# KiCad board Leftcopy.kicad_pcb (continued)
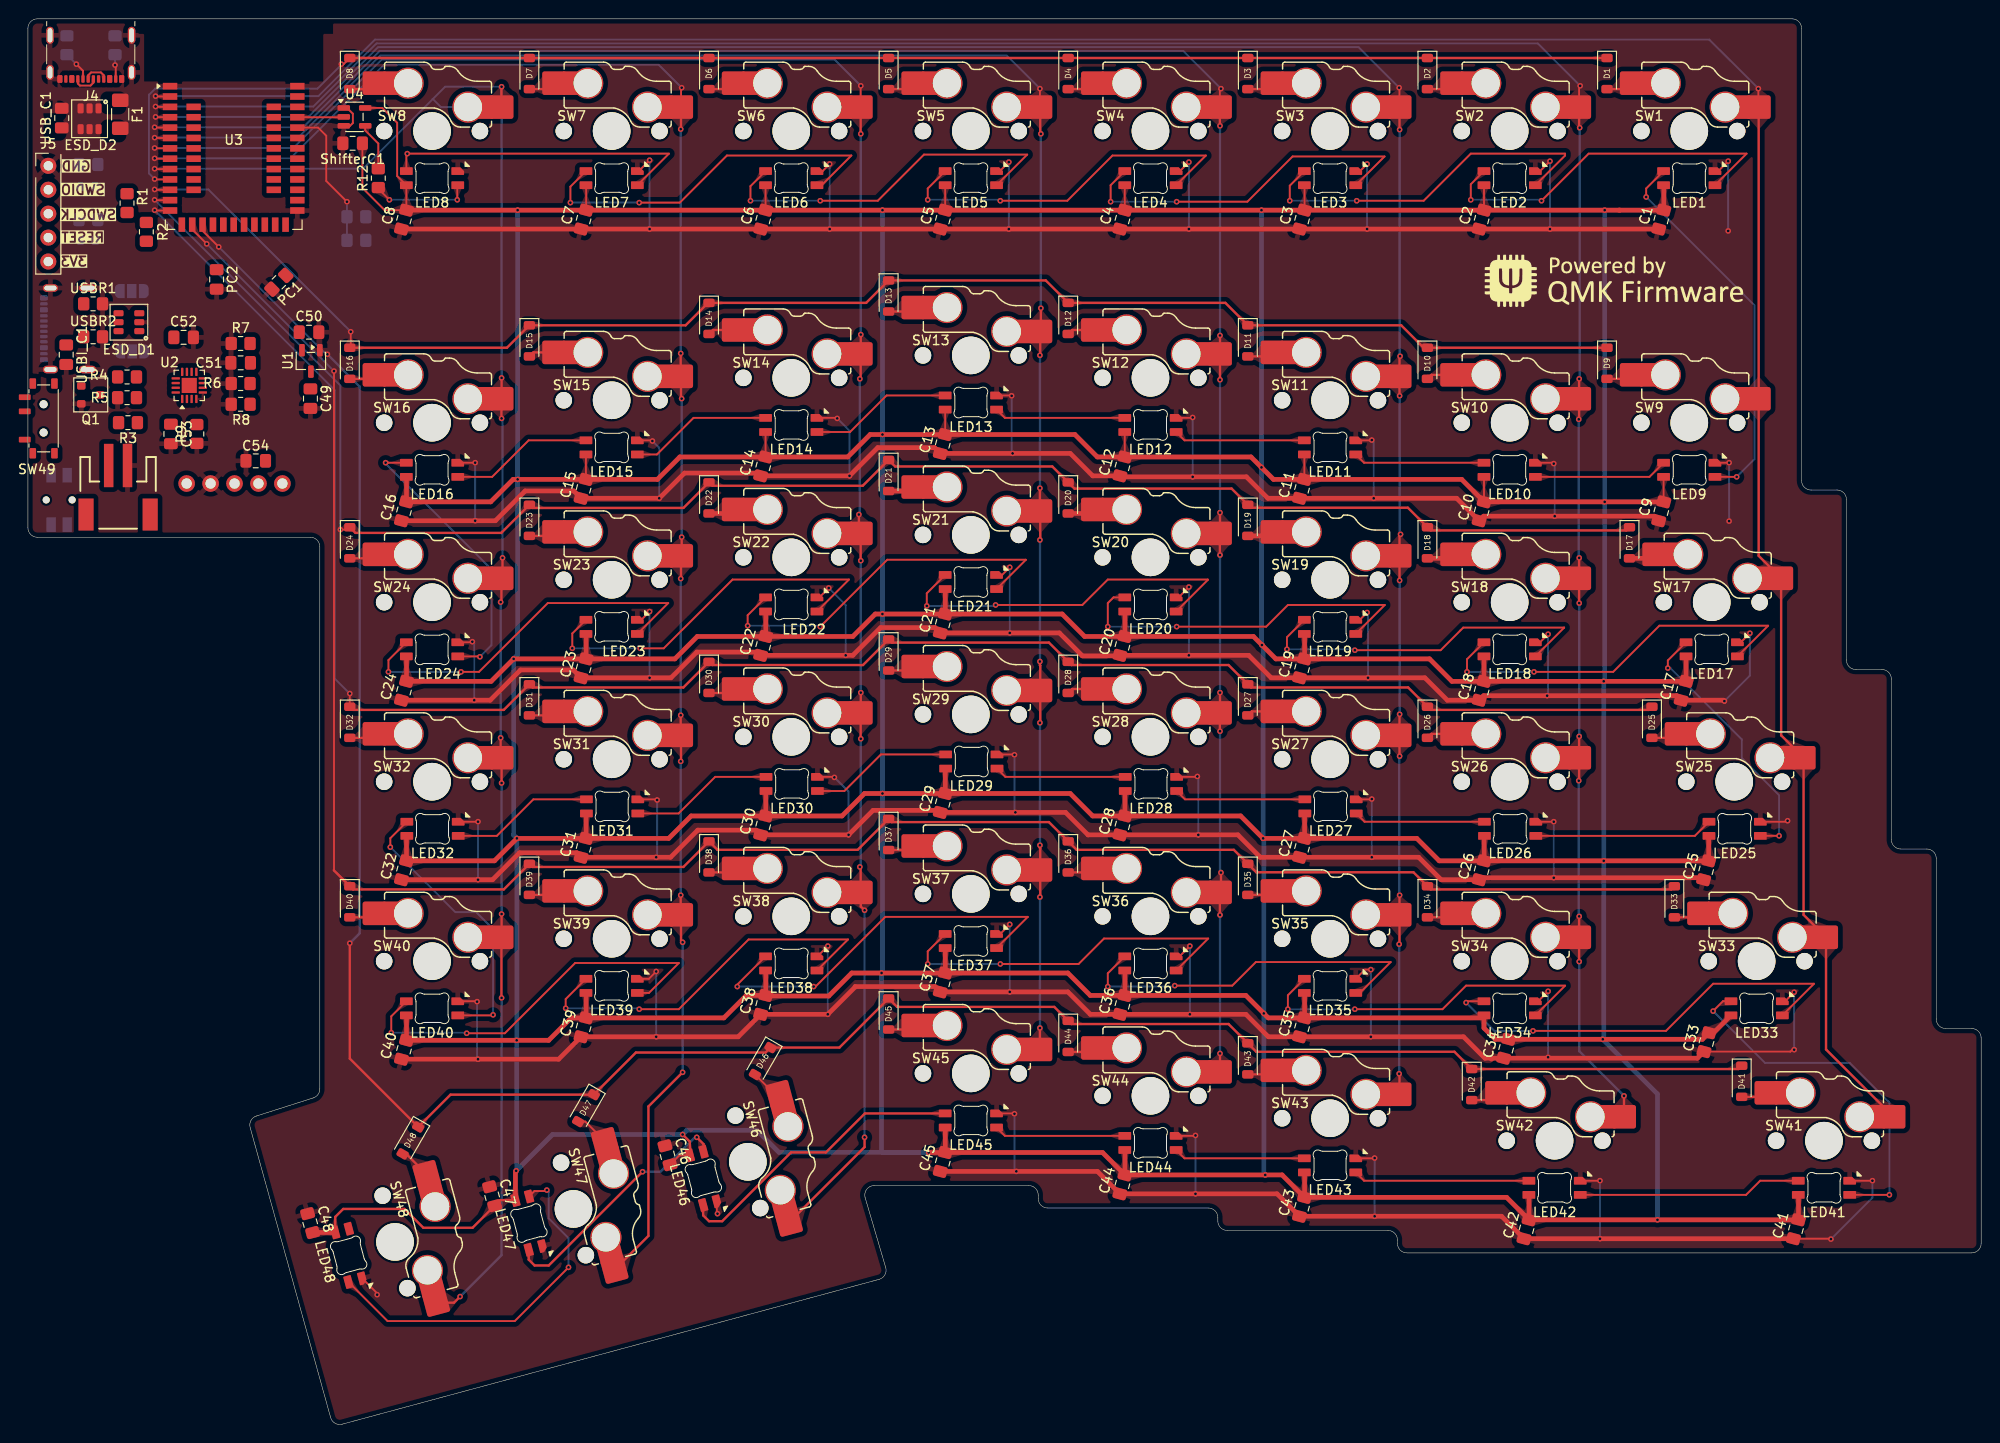
[diagram p0: board, top side]
## Library data of the parts
B_LED1 = -: Description: Blue SMD LED, 0603, Alternate KiCad Library; ki_fp_filters: LED* LED_SMD:* LED_THT:*
C1-C48 C51-C54 ShifterC1 USBI_C1 = -: Description: Unpolarized capacitor; ki_fp_filters: C_*
C49 C50 PC1 PC2 = -: Notes: X7R, 10%; ki_fp_filters: C_*
D1-D48 = -: Description: Diode; Sim.Pins: 1=K 2=A; ki_fp_filters: TO-???* *_Diode_* *SingleDiode* D_*
ESD_D1 ESD_D2 = -: Datasheet: https://www.tme.eu/Document/db59d28d28a96c34f26d05f234ff409c/USBLC6-2.pdf; Description: SOT-23-6 TVS Diode Array, 2 protected lines, positive connection, 5.25V, Alternate KiCAD Library; ki_fp_filters: TO-???* *_Diode_* *SingleDiode* D_*
F1 = -: LCSC: C135341; ki_fp_filters: *polyfuse* *PTC*
G_LED1 = -: Description: Green SMD LED, 0603, Alternate KiCad Library; ki_fp_filters: LED* LED_SMD:* LED_THT:*
J1 J4 = -: Datasheet: https://www.usb.org/sites/default/files/documents/usb_type-c.zip; Description: USB 2.0-only 16P Type-C Receptacle connector; ki_fp_filters: USB*C*Receptacle*
J3 = -: Description: 2 Pin 2mm JST Battery Connector; PROD_ID: CONN-11443; ki_fp_filters: Connector*:*_1x??_*
J5 = -: Description: Male connector, single row; ki_fp_filters: *PinHeader*1x05*
JP1 JP2 = -: Description: Solder Jumper, 3-pole, open; ki_fp_filters: SolderJumper*Open*
LED1-LED48 = -: Description: Reverse mount adressable LED (WS2812 protocol)
OLED1 = -: Datasheet: https://nicekeyboards.com/docs/nice-view/pinout-schematic; Description: Sharp LS011B7DH03 Memory in Pixel 160x68; ki_fp_filters: nice*
Q1 = -: Datasheet: https://www.tme.eu/Document/7df5cae36abdfcedddb681f5be886f05/2N7000.pdf; Description: SOT-23 N-MOSFET enchancement mode transistor, 60V, 115mA, 200mW, Alternate KiCAD Library
R1-R15 R17 USBR1 USBR2 = -: Description: Resistor; ki_fp_filters: R_*
Reset_Btn1 = -: Aliexpress: https://www.aliexpress.com/item/1005005453787620.html?spm=a2g0o.productlist.main.1.11d71ae5j97qJo&algo_pvid=568eff6e-180e-4b37-958c-7c0a3b0f84d9&algo_exp_id=568eff6e-180e-4b37-958c-7c0a3b0f84d9-0&pdp_npi=4%40dis%21BRL%2110.94%219.89%21%21%2113.03%2111.78%21%402103273e17319427737965163e3c62%2112000038111003831%21sea%21BR%214340077984%21X&curPageLogUid=5a6rqzQqwGi2&utparam-url=scene%3Asearch%7Cquery_from%3A; LCSC: C79175
SW1-SW45 SW47 = -: Description: Push button switch, normally open, two pins, 45° tilted
SW49 = -: Description: Switch, single pole double throw
U1 = -: Datasheet: https://www.torexsemi.com/file/xc6206/XC6206.pdf; Description: Positive 60-250mA Low Dropout Regulator, Fixed Output, SOT-23; ki_fp_filters: SOT?23?3*
U2 = -: Datasheet: http://www.ti.com/lit/ds/symlink/bq24075.pdf; Description: USB-Friendly Li-Ion Battery Charger and Power-Path Management, VQFN-16; ki_fp_filters: VQFN*1EP*3x3mm*P0.5mm*
U3 = -: Datasheet: http://www.holyiot.com/tp/2019042516322180424.pdf; Description: nRF52840 BT LE module
U4 = -: Datasheet: https://www.ti.com/lit/ds/symlink/sn74lv1t125.pdf; Description: Single Power Supply, Single Buffer Gate with 3-State Output, CMOS Logic Level Shifter Level Shifter, SOT-23-5; ki_fp_filters: SOT?23*
USB_C1 = -: LCSC: C307331; ki_fp_filters: C_*

## Footprints (pads in the part's own frame, mm; a bottom-side part is the same pattern mirrored in y, then rotated)
C_0805_2012Metric_Pad1.18x1.45mm_HandSolder
  rrect 1.175x1.45 smd: 1(-1.038,0) 2(1.038,0)
D_SOD-123
  rrect 0.9x1.2 smd: 1(-1.65,0) 2(1.65,0)
Fuse_1206_3216Metric_Pad1.42x1.75mm_HandSolder
  rrect 1.425x1.75 smd: 1(-1.488,0) 2(1.488,0)
JST_1x02_P2.0mm_Horizontal_SMD
  rect 1x4.6 smd: 1(-1,-3.7) 2(1,-3.7)
  rect 1.6x3.4 smd: NC1(-3.4,1.5) NC2(3.4,1.5)
LED_0603_1608Metric
  rrect 0.875x0.95 smd: 1(-0.787,0) 2(0.787,0)
LED_MX_6028R-ROT
  rrect 1.35x0.82 smd: 1(-2.725,-0.75) 2(-2.725,0.75) 3(2.725,-0.75) 4(2.725,0.75)
LED_MX_6028R-ROT#2
  rrect 1.35x0.82 smd: 1(-2.725,-0.75) 2(-2.725,0.75) 3(2.725,-0.75) 4(2.725,0.75)
nice_view
  round 1.753 hole 1.092: 1(-5.08,-16.51) 2(-2.54,-16.51) 3(0,-16.51) 4(2.54,-16.51) 5(5.08,-16.51)
nRF52840_holyiot_18010
  rect 1.524x0.7 smd: 1(-6.75,5.7) 2(-6.75,4.6) 3(-6.75,3.5) 4(-6.75,2.4) 5(-6.75,1.3) 6(-6.75,0.2) 7(-6.75,-0.9) 8(-6.75,-2) 9(-6.75,-3.1) 10(-6.75,-4.2) 11(-6.75,-5.3) 12(-6.75,-6.4) 13(-6.75,-7.5) 25(6.75,-7.5) 26(6.75,-6.4) 27(6.75,-5.3) 28(6.75,-4.2) 29(6.75,-3.1) 30(6.75,-2) 31(6.75,-0.9) 32(6.75,0.2) 33(6.75,1.3) 34(6.75,2.4) 35(6.75,3.5) 36(6.75,4.6) 37(6.75,5.7) 38(-4.25,3.5) 39(-4.25,2.4) 40(-4.25,1.3) 41(-4.25,0.2) 42(-4.25,-0.9) 43(-4.25,-2) 44(-4.25,-3.1) 45(-4.25,-4.2) 46(-4.25,-5.3) 47(4.25,3.5) 48(4.25,2.4) 49(4.25,1.3) 50(4.25,0.2) 51(4.25,-0.9) 52(4.25,-2) 53(4.25,-3.1) 54(4.25,-4.2) 55(4.25,-5.3)
  rect 0.7x1.524 smd: 14(-5.5,-9) 15(-4.4,-9) 16(-3.3,-9) 17(-2.2,-9) 18(-1.1,-9) 19(0,-9) 20(1.1,-9) 21(2.2,-9) 22(3.3,-9) 23(4.4,-9) 24(5.5,-9)
Panasonic_EVQPUL_EVQPUC
  round 0.75 hole 0.75 unplated: (0,-1.375) (0,1.375)
  rect 1.55x1 smd: 1(-2.625,0.85) 1(2.625,0.85) 2(-2.625,-0.85) 2(2.625,-0.85)
PinHeader_01x05_P2.54mm_Vertical_THT_D1mm
  round 1.7 hole 1: 1(0,0)
  oval 1.7x1.7 hole 1: 2(0,-2.54) 3(0,-5.08) 4(0,-7.62) 5(0,-10.16)
R_0805_2012Metric_Pad1.20x1.40mm_HandSolder
  rrect 1.2x1.4 smd: 1(-1,0) 2(1,0)
SolderJumper-3_P1.3mm_Open_RoundedPad1.0x1.5mm_NumberLabels
  custom 1.05x1.5 smd: 1(-1.3,0) 3(1.3,0)
  rect 1x1.5 smd: 2(0,0)
SOT-23
  rrect 0.9x0.8 smd: 1(-1,0.95) 2(-1,-0.95) 3(1,0)
SOT-23-3
  rrect 1.325x0.6 smd: 1(-1.137,0.95) 2(-1.137,-0.95) 3(1.137,0)
SOT-23-5
  rrect 1.325x0.6 smd: 1(-1.137,0.95) 2(-1.137,0) 3(-1.137,-0.95) 4(1.137,-0.95) 5(1.137,0.95)
SOT-23-6
  rrect 1.06x0.65 smd: 1(-1.1,0.95) 2(-1.1,0) 3(-1.1,-0.95) 4(1.1,-0.95) 5(1.1,0) 6(1.1,0.95)
SOT-23-6#2
  rrect 1.06x0.65 smd: 1(-1.1,0.95) 2(-1.1,0) 3(-1.1,-0.95) 4(1.1,-0.95) 5(1.1,0) 6(1.1,0.95)
SW_MSK12C02-HB
  round 0.85 hole 0.85 unplated: (-1.5,0) (1.5,0)
  rrect 0.6x1.25 smd: 1(2.25,-2) 2(-0.75,-2) 3(-2.25,-2)
  rrect 1.1x0.7 smd: MP(-3.7,-1.15) MP(-3.7,1.15) MP(3.7,-1.15) MP(3.7,1.15)
SW_MX_HS_KS-2P02B01-01_1.5u
  round 1.75 hole 1.75 unplated: (-5.08,0) (5.08,0)
  round 3.988 hole 3.988 unplated: (0,0)
  round 3.3 hole 3: 1(3.81,2.54) 2(-2.54,5.08)
  rect 1.65x2.5 smd: 1(5.635,2.54) 2(-4.34,5.08)
  rrect 2.55x2.5 smd: 1(7.36,2.54) 2(-6.09,5.08)
SW_MX_HS_KS-2P02B01-01_1.25u
  round 1.75 hole 1.75 unplated: (-5.08,0) (5.08,0)
  round 3.988 hole 3.988 unplated: (0,0)
  round 3.3 hole 3: 1(3.81,2.54) 2(-2.54,5.08)
  rect 1.65x2.5 smd: 1(5.635,2.54) 2(-4.34,5.08)
  rrect 2.55x2.5 smd: 1(7.36,2.54) 2(-6.09,5.08)
SW_MX_HS_KS-2P02B01-01_1.75u
  round 1.75 hole 1.75 unplated: (-5.08,0) (5.08,0)
  round 3.988 hole 3.988 unplated: (0,0)
  round 3.3 hole 3: 1(3.81,2.54) 2(-2.54,5.08)
  rect 1.65x2.5 smd: 1(5.635,2.54) 2(-4.34,5.08)
  rrect 2.55x2.5 smd: 1(7.36,2.54) 2(-6.09,5.08)
SW_MX_HS_KS-2P02B01-01_1u
  round 1.75 hole 1.75 unplated: (-5.08,0) (5.08,0)
  round 3.988 hole 3.988 unplated: (0,0)
  round 3.3 hole 3: 1(3.81,2.54) 2(-2.54,5.08)
  rect 1.65x2.5 smd: 1(5.635,2.54) 2(-4.34,5.08)
  rrect 2.55x2.5 smd: 1(7.36,2.54) 2(-6.09,5.08)
USB_C_Receptacle_HRO_TYPE-C-31-M-23
  rrect 0.52x0.8 smd: A1(-3.28,2.425) A4(-2.01,2.425) A9(2.01,2.425) A12(3.28,2.425) B1(3.28,2.425) B4(2.01,2.425) B9(-2.01,2.425) B12(-3.28,2.425)
  rrect 0.35x0.8 smd: A5(-2.645,2.425) A6(-1.375,2.425) A7(1.375,2.425) A8(2.645,2.425) B5(0.825,2.425) B6(0.275,2.425) B7(-0.275,2.425) B8(-0.825,2.425)
  oval 0.8x1.8 hole 0.5x1.5: S1(-4.325,-2.215) S1(4.325,-2.215)
  oval 0.8x1.6 hole 0.5x1.3: S1(-4.325,1.725) S1(4.325,1.725)
VQFN-16-1EP_3x3mm_P0.5mm_EP1.6x1.6mm
  rrect 0.64x0.64 smd: (-0.4,0.4) (-0.4,-0.4) (0.4,0.4) (0.4,-0.4)
  rrect 0.875x0.25 smd: 1(-1.438,0.75) 2(-1.438,0.25) 3(-1.438,-0.25) 4(-1.438,-0.75) 9(1.438,-0.75) 10(1.438,-0.25) 11(1.438,0.25) 12(1.438,0.75)
  rrect 0.25x0.875 smd: 5(-0.75,-1.438) 6(-0.25,-1.438) 7(0.25,-1.438) 8(0.75,-1.438) 13(0.75,1.438) 14(0.25,1.438) 15(-0.25,1.438) 16(-0.75,1.438)
  rect 1.6x1.6 smd: 17(0,0)

## Nets
+3.3V: C50.1 C54.1 J5.5 OLED1.3 PC1.1 U1.2 U3.14
+5V: C1.2 C2.2 C3.2 C4.2 C5.2 C6.2 C7.2 C8.2 C9.2 C10.2 C11.2 C12.2 C13.2 C14.2 C15.2 C16.2 C17.2 C18.2 C19.2 C20.2 C21.2 C22.2 C23.2 C24.2 C25.2 C26.2 C27.2 C28.2 C29.2 C30.2 C31.2 C32.2 C33.2 C34.2 C35.2 C36.2 C37.2 C38.2 C39.2 C40.2 C41.2 C42.2 C43.2 C44.2 C45.2 C46.2 C47.2 C48.2 C51.1 ESD_D1.5 ESD_D2.5 F1.2 J1.A4 J1.A9 J1.B4 J1.B9 LED1.1 LED2.1 LED3.1 LED4.1 LED5.1 LED6.1 LED7.1 LED8.1 LED9.1 LED10.1 LED11.1 LED12.1 LED13.1 LED14.1 LED15.1 LED16.1 LED17.1 LED18.1 LED19.1 LED20.1 LED21.1 LED22.1 LED23.1 LED24.1 LED25.1 LED26.1 LED27.1 LED28.1 LED29.1 LED30.1 LED31.1 LED32.1 LED33.1 LED34.1 LED35.1 LED36.1 LED37.1 LED38.1 LED39.1 LED40.1 LED41.1 LED42.1 LED43.1 LED44.1 LED45.1 LED46.1 LED47.1 LED48.1 PC2.1 R4.2 ShifterC1.1 U2.13 U3.22 U4.5 USB_C1.1 USBI_C1.1
GND: B_LED1.1 C1.1 C2.1 C3.1 C4.1 C5.1 C6.1 C7.1 C8.1 C9.1 C10.1 C11.1 C12.1 C13.1 C14.1 C15.1 C16.1 C17.1 C18.1 C19.1 C20.1 C21.1 C22.1 C23.1 C24.1 C25.1 C26.1 C27.1 C28.1 C29.1 C30.1 C31.1 C32.1 C33.1 C34.1 C35.1 C36.1 C37.1 C38.1 C39.1 C40.1 C41.1 C42.1 C43.1 C44.1 C45.1 C46.1 C47.1 C48.1 C49.2 C50.2 C51.2 C52.2 C53.2 C54.2 ESD_D1.2 ESD_D2.2 G_LED1.1 J1.A1 J1.A12 J1.B1 J1.B12 J1.S1 J3.1 J4.A1 J4.A12 J4.B1 J4.B12 J4.S1 J5.1 LED1.4 LED2.4 LED3.4 LED4.4 LED5.4 LED6.4 LED7.4 LED8.4 LED9.4 LED10.4 LED11.4 LED12.4 LED13.4 LED14.4 LED15.4 LED16.4 LED17.4 LED18.4 LED19.4 LED20.4 LED21.4 LED22.4 LED23.4 LED24.4 LED25.4 LED26.4 LED27.4 LED28.4 LED29.4 LED30.4 LED31.4 LED32.4 LED33.4 LED34.4 LED35.4 LED36.4 LED37.4 LED38.4 LED39.4 LED40.4 LED41.4 LED42.4 LED43.4 LED44.4 LED45.4 LED46.4 LED47.4 LED48.4 OLED1.4 PC1.2 PC2.2 Q1.2 R5.1 R6.1 R7.1 R8.1 R9.1 R11.2 R13.2 R14.2 Reset_Btn1.2 ShifterC1.2 SW49.3 U1.1 U2.4 U2.5 U2.8 U2.17 U3.1 U3.25 U3.37 U4.1 U4.3 USB_C1.2 USBI_C1.2 USBR1.2 USBR2.2
+BATT: C53.1 J3.2 R3.2 R10.1 U2.2 U2.3
+VSW: C49.1 C52.1 R1.2 R2.2 U1.3 U2.6 U2.10 U2.11
BLUE_LED: R15.1 U3.30
BT_CHG: R1.1 U2.9 U3.27
BT_PGOOD: R2.1 U2.7 U3.26
CS: OLED1.5 U3.19
D+: ESD_D2.4 U3.24
D-: ESD_D2.6 U3.23
GREEN_LED: R17.1 U3.29
LINK+: ESD_D1.4 JP2.2
LINK-: ESD_D1.6 JP1.2
MOSI: OLED1.1 U3.17
R_COL1: SW8.1 SW16.1 SW24.1 SW32.1 SW40.1 SW48.1 U3.9
R_COL2: SW7.1 SW15.1 SW23.1 SW31.1 SW39.1 SW47.1 U3.8
R_COL3: SW6.1 SW14.1 SW22.1 SW30.1 SW38.1 SW46.1 U3.7
R_COL4: SW5.1 SW13.1 SW21.1 SW29.1 SW37.1 SW45.1 U3.6
R_COL5: SW4.1 SW12.1 SW20.1 SW28.1 SW36.1 SW44.1 U3.5
R_COL6: SW3.1 SW11.1 SW19.1 SW27.1 SW35.1 SW43.1 U3.4
R_COL7: SW2.1 SW10.1 SW18.1 SW26.1 SW34.1 SW42.1 U3.3
R_COL8: SW1.1 SW9.1 SW17.1 SW25.1 SW33.1 SW41.1 U3.2
R_LED1: LED8.3 R12.1
R_LED_3v3_1: U3.34 U4.2
R_ROW1: D1.1 D2.1 D3.1 D4.1 D5.1 D6.1 D7.1 D8.1 U3.10
R_ROW2: D9.1 D10.1 D11.1 D12.1 D13.1 D14.1 D15.1 D16.1 U3.11
R_ROW3: D17.1 D18.1 D19.1 D20.1 D21.1 D22.1 D23.1 D24.1 U3.12
R_ROW4: D25.1 D26.1 D27.1 D28.1 D29.1 D30.1 D31.1 D32.1 U3.13
R_ROW5: D33.1 D34.1 D35.1 D36.1 D37.1 D38.1 D39.1 D40.1 U3.15
R_ROW6: D41.1 D42.1 D43.1 D44.1 D45.1 D46.1 D47.1 D48.1 U3.16
RESET: J5.4 Reset_Btn1.1 U3.21
SCK: OLED1.2 U3.18
SWDCLK: J5.3 U3.31
SWDIO: J5.2 U3.32
SYS_OFF: Q1.3 SW49.2 U2.15
USART_RX: JP1.1 JP2.1 U3.36
USART_TX: JP1.3 JP2.3 U3.35
VSENSE: R10.2 R11.1 U3.33
Net-(B_LED1-A): B_LED1.2 R15.2
Net-(D1-A): D1.2 SW1.2
Net-(D2-A): D2.2 SW2.2
Net-(D3-A): D3.2 SW3.2
Net-(D4-A): D4.2 SW4.2
Net-(D5-A): D5.2 SW5.2
Net-(D6-A): D6.2 SW6.2
Net-(D7-A): D7.2 SW7.2
Net-(D8-A): D8.2 SW8.2
Net-(D9-A): D9.2 SW9.2
Net-(D10-A): D10.2 SW10.2
Net-(D11-A): D11.2 SW11.2
Net-(D12-A): D12.2 SW12.2
Net-(D13-A): D13.2 SW13.2
Net-(D14-A): D14.2 SW14.2
Net-(D15-A): D15.2 SW15.2
Net-(D16-A): D16.2 SW16.2
Net-(D17-A): D17.2 SW17.2
Net-(D18-A): D18.2 SW18.2
Net-(D19-A): D19.2 SW19.2
Net-(D20-A): D20.2 SW20.2
Net-(D21-A): D21.2 SW21.2
Net-(D22-A): D22.2 SW22.2
Net-(D23-A): D23.2 SW23.2
Net-(D24-A): D24.2 SW24.2
Net-(D25-A): D25.2 SW25.2
Net-(D26-A): D26.2 SW26.2
Net-(D27-A): D27.2 SW27.2
Net-(D28-A): D28.2 SW28.2
Net-(D29-A): D29.2 SW29.2
Net-(D30-A): D30.2 SW30.2
Net-(D31-A): D31.2 SW31.2
Net-(D32-A): D32.2 SW32.2
Net-(D33-A): D33.2 SW33.2
Net-(D34-A): D34.2 SW34.2
Net-(D35-A): D35.2 SW35.2
Net-(D36-A): D36.2 SW36.2
Net-(D37-A): D37.2 SW37.2
Net-(D38-A): D38.2 SW38.2
Net-(D39-A): D39.2 SW39.2
Net-(D40-A): D40.2 SW40.2
Net-(D41-A): D41.2 SW41.2
Net-(D42-A): D42.2 SW42.2
Net-(D43-A): D43.2 SW43.2
Net-(D44-A): D44.2 SW44.2
Net-(D45-A): D45.2 SW45.2
Net-(D46-A): D46.2 SW46.2
Net-(D47-A): D47.2 SW47.2
Net-(D48-A): D48.2 SW48.2
Net-(ESD_D1-L1-Pad1): ESD_D1.1 J1.A7 J1.B7
Net-(ESD_D1-L2-Pad3): ESD_D1.3 J1.A6 J1.B6
Net-(ESD_D2-L1-Pad1): ESD_D2.1 J4.A7 J4.B7
Net-(ESD_D2-L2-Pad3): ESD_D2.3 J4.A6 J4.B6
Net-(F1-Pad1): F1.1 J4.A4 J4.A9 J4.B4 J4.B9
Net-(G_LED1-A): G_LED1.2 R17.2
Net-(J1-CC1): J1.A5 USBR1.1
Net-(J1-CC2): J1.B5 USBR2.1
Net-(J4-CC1): J4.A5 R13.1
Net-(J4-CC2): J4.B5 R14.1
Net-(LED1-DIN): LED1.3 LED2.2
Net-(LED1-DOUT): LED1.2 LED9.3
Net-(LED2-DIN): LED2.3 LED3.2
Net-(LED3-DIN): LED3.3 LED4.2
Net-(LED4-DIN): LED4.3 LED5.2
Net-(LED5-DIN): LED5.3 LED6.2
Net-(LED6-DIN): LED6.3 LED7.2
Net-(LED7-DIN): LED7.3 LED8.2
Net-(LED10-DIN): LED9.2 LED10.3
Net-(LED10-DOUT): LED10.2 LED11.3
Net-(LED11-DOUT): LED11.2 LED12.3
Net-(LED12-DOUT): LED12.2 LED13.3
Net-(LED13-DOUT): LED13.2 LED14.3
Net-(LED14-DOUT): LED14.2 LED15.3
Net-(LED15-DOUT): LED15.2 LED16.3
Net-(LED16-DOUT): LED16.2 LED24.3
Net-(LED17-DIN): LED17.3 LED18.2
Net-(LED17-DOUT): LED17.2 LED25.3
Net-(LED18-DIN): LED18.3 LED19.2
Net-(LED19-DIN): LED19.3 LED20.2
Net-(LED20-DIN): LED20.3 LED21.2
Net-(LED21-DIN): LED21.3 LED22.2
Net-(LED22-DIN): LED22.3 LED23.2
Net-(LED23-DIN): LED23.3 LED24.2
Net-(LED25-DOUT): LED25.2 LED26.3
Net-(LED26-DOUT): LED26.2 LED27.3
Net-(LED27-DOUT): LED27.2 LED28.3
Net-(LED28-DOUT): LED28.2 LED29.3
Net-(LED29-DOUT): LED29.2 LED30.3
Net-(LED30-DOUT): LED30.2 LED31.3
Net-(LED31-DOUT): LED31.2 LED32.3
Net-(LED32-DOUT): LED32.2 LED40.3
Net-(LED33-DIN): LED33.3 LED34.2
Net-(LED33-DOUT): LED33.2 LED41.3
Net-(LED34-DIN): LED34.3 LED35.2
Net-(LED35-DIN): LED35.3 LED36.2
Net-(LED36-DIN): LED36.3 LED37.2
Net-(LED37-DIN): LED37.3 LED38.2
Net-(LED38-DIN): LED38.3 LED39.2
Net-(LED39-DIN): LED39.3 LED40.2
Net-(LED41-DOUT): LED41.2 LED42.3
Net-(LED42-DOUT): LED42.2 LED43.3
Net-(LED43-DOUT): LED43.2 LED44.3
Net-(LED44-DOUT): LED44.2 LED45.3
Net-(LED45-DOUT): LED45.2 LED46.3
Net-(LED46-DOUT): LED46.2 LED47.3
Net-(LED47-DOUT): LED47.2 LED48.3
Net-(Q1-G): Q1.1 R4.1 R5.2
Net-(SW49-A): R3.1 SW49.1
Net-(U2-ILIM): R7.2 U2.12
Net-(U2-ISET): R8.2 U2.16
Net-(U2-TMR): R6.2 U2.14
Net-(U2-TS): R9.2 U2.1
Net-(U4-Y): R12.2 U4.4

Pads without a net: J1 A8 B8; J3 NC1 NC2; J4 A8 B8; LED48 2; SW49 MP; U3 20 28 38 39 40 41 42 43 44 45 46 47 48 49 50 51 52 53 54 55

## Via types
v1: diameter 0.6, hole 0.3, Top to Bottom, 272 vias

## Routing (per net, layer and track width the routed paths; a pad name or vN(x,y) marks a point on that pad's centre or on a via; arc(x,y) is an arc through that point)
+5V: length 1437.9
  Top w0.2: LED12.1 116.34,102.67 C12.2 ; LED46.1 69.1,28.53 C46.2 ; C6.2 78.24,128.86 LED6.1 ; LED7.1 59.21,131.47 C7.2 ; U4.5 37.59,139.69 39.16,138.12 39.16,132.47 LED8.1 40.14,128.86 C8.2 37.84,128.84 35.48,131.2 ShifterC1.1 ; C4.2 116.34,128.86 LED4.1 ; C5.2 97.29,128.86 LED5.1 ; LED13.1 97.29,105.05 C13.2 ; LED3.1 135.39,131.19 135.41,131.17 C3.2 ; LED2.1 154.44,128.86 C2.2 ; C9.2 173.49,97.91 LED9.1 ; C15.2 59.19,100.29 LED15.1 ; C11.2 135.39,100.29 LED11.1 ; LED14.1 78.24,102.67 C14.2 ; C10.2 154.44,97.91 LED10.1
  Top w0.25: LED48.1 32.59,21.99 33.44,22.84 39.94,22.84 41.94,20.84 47.16,20.84 C47.2 ; v1(51.79,26.89) 51.71,26.81 ; LED47.1 50.1,23.78 C47.2 ; C47.2 49.51,22.71 ; v1(69.44,30.74) 70.21,29.97 LED46.1
  Top w0.5: C22.2 87.5,83.6 89.88,85.98 v1(90.64,85.98) C21.2 ; C22.2 71,83.6 68.61,81.22 C23.2 ; C22.2 78.26,86.23 LED22.1 ; C42.2 156.84,24.07 C43.2 ; C42.2 159.22,24.32 LED42.1 ; C42.2 v1(172.84,21.69) C41.2 187.79,24.32 LED41.1 ; 51.71,26.81 LED47.1 ; C48.2 32.58,20.34 LED48.1 ; C23.2 59.21,83.85 LED23.1 ; C23.2 v1(51.51,81.22) 49.13,78.84 C24.2 40.16,81.47 LED24.1 ; LED39.1 59.21,45.75 C39.2 ; LED40.1 40.16,43.37 C40.2 v1(51.84,40.74) 55.23,40.74 57.61,43.12 C39.2 ; C43.2 133.02,26.45 v1(131.24,26.45) C44.2 ; C43.2 135.41,26.7 LED43.1 ; LED44.1 116.36,29.08 C44.2 ; C20.2 112.08,83.6 109.7,85.98 C21.2 ; C20.2 116.36,86.23 LED20.1 ; C20.2 129.98,83.6 132.36,81.22 C19.2 ; C44.2 113.97,28.83 C45.2 ; C36.2 116.36,48.13 LED36.1 ; C36.2 129.18,45.5 v1(131.09,43.59) 131.56,43.12 C35.2 ; C36.2 112.68,45.5 110.3,47.88 C37.2 ; LED45.1 97.31,31.46 C45.2 ; C38.2 76.2,45.5 73.81,43.12 C39.2 ; C38.2 78.31,45.44 84.94,45.44 87.38,47.88 v1(90.54,47.88) C37.2 ; C38.2 78.26,48.13 LED38.1 ; LED21.1 97.31,88.61 C21.2 ; LED16.1 40.16,100.52 C16.2 49.08,97.89 51.46,100.27 v1(51.94,100.27) C15.2 66.76,100.27 69.15,102.65 C14.2 86.95,102.65 89.33,105.03 v1(90.64,105.03) C13.2 111.05,105.03 113.43,102.65 C12.2 129.73,102.65 v1(130.84,101.54) 132.11,100.27 C11.2 152.07,100.27 C10.2 v1(167.24,97.89) C9.2 ; LED35.1 135.41,45.75 C35.2 ; C19.2 148.66,81.22 151.04,78.84 C18.2 ; C19.2 135.41,83.85 LED19.1 ; C37.2 97.31,50.51 LED37.1 ; C29.2 v1(90.64,66.93) 88.73,66.93 86.35,64.55 C30.2 ; C29.2 97.31,69.55 LED29.1 ; C29.2 110.55,66.93 112.93,64.55 C28.2 ; LED26.1 154.46,62.4 C26.2 ; C45.2 v1(95.54,28.83) ; C30.2 78.26,67.17 LED30.1 ; C30.2 70.35,64.55 67.96,62.17 C31.2 ; C35.2 154.17,43.12 LED34.1 154.44,42.04 155.64,40.84 C34.2 v1(167.04,40.84) 177.61,40.84 C33.2 178.79,41.54 LED33.1 ; C26.2 149.69,59.79 147.31,62.17 C27.2 ; C26.2 v1(167.14,59.79) C25.2 178.27,62.4 LED25.1 ; C27.2 v1(131.01,62.17) 128.63,64.55 C28.2 ; C27.2 135.41,64.78 LED27.1 ; C31.2 v1(51.86,62.17) 49.48,59.79 C32.2 40.16,62.4 LED32.1 ; C31.2 59.21,64.78 LED31.1 ; C28.2 116.36,67.17 LED28.1 ; 168.84,128.84 v1(130.84,128.84) v1(90.64,128.84) v1(51.94,128.84) C8.2 ; 168.84,128.84 C1.2 173.51,131.47 LED1.1 ; 168.84,128.84 168.74,128.84 ; LED17.1 175.87,78.86 C17.2 v1(167.14,78.84) C18.2 ; C18.2 154.44,78.86 LED18.1
  Bottom w0.5: v1(90.64,128.84) v1(90.64,105.03) v1(90.64,85.98) v1(90.64,66.93) 90.64,47.98 v1(90.54,47.88) 90.54,28.94 90.65,28.83 v1(95.54,28.83) 95.53,28.84 79.66,28.84 77.31,31.19 69.89,31.19 v1(69.44,30.74) 55.64,30.74 v1(51.79,26.89) 51.84,26.94 v1(51.84,40.74) 51.86,40.76 v1(51.86,62.17) 51.51,62.52 v1(51.51,81.22) 51.94,81.64 v1(51.94,100.27) v1(51.94,128.84) ; v1(131.24,26.45) 131.09,26.6 v1(131.09,43.59) 131.09,62.09 v1(131.01,62.17) 131.01,82.57 v1(130.89,82.69) ; 130.84,82.74 v1(130.84,101.54) v1(130.84,128.84) ; v1(172.84,21.69) 172.84,35.04 167.04,40.84 v1(167.04,40.84) 167.14,40.94 v1(167.14,59.79) v1(167.14,78.84) 167.24,78.94 v1(167.24,97.89) v1(167.24,128.84)
GND: length 1197.5
  Top w0.2: LED11.4 142.51,104.42 v1(142.54,104.44) ; v1(180.34,134.04) 179.29,132.99 LED1.4 ; v1(85.04,133.74) 84.29,132.99 LED6.4 ; LED37.4 103.13,52.03 v1(104.14,53.04) ; LED35.4 141.81,48.24 v1(142.44,48.24) ; LED4.4 122.19,132.99 v1(123.14,133.94) ; v1(85.54,68.64) 85.48,68.7 LED30.4 ; v1(187.34,45.84) 186.38,44.88 LED33.4 ; LED44.4 123.79,30.6 v1(123.84,30.64) ; LED16.4 47.43,102.03 v1(47.44,102.04) ; LED25.4 186.53,63.93 v1(186.64,64.04) ; v1(142.54,66.34) 142.51,66.32 LED27.4 ; v1(104.34,109.14) 104.3,109.18 LED13.4 ; LED38.4 83.74,49.65 v1(84.84,50.74) ; LED15.4 66.16,104.42 v1(66.24,104.34) ; LED23.4 65.06,85.37 v1(65.94,86.24) ; LED43.4 142.81,28.22 v1(142.84,28.24) ; LED5.4 103.09,132.99 v1(104.04,133.94) ; 160.94,38.84 161.04,38.94 v1(161.24,38.94) ; LED9.4 180.43,102.03 v1(180.44,102.04) ; v1(166.74,25.84) 166.73,25.83 LED42.4 ; LED18.4 160.38,82.98 v1(161.24,83.84) ; v1(66.64,48.04) 65.86,47.27 LED39.4 ; LED31.4 66.66,66.32 v1(66.74,66.24) ; LED22.4 83.94,87.75 v1(84.94,88.74) ; v1(161.84,101.94) 161.74,102.03 LED10.4 ; 33.5,135.94 33.6,135.84 ; LED36.4 122.14,49.65 v1(123.24,50.74) ; LED21.4 103.33,90.13 v1(104.14,90.94) ; v1(47.74,63.94) 47.73,63.93 LED32.4 ; v1(47.14,83.04) 47.08,82.98 LED24.4 ; LED17.4 181.68,82.98 v1(182.64,83.94) ; LED20.4 122.04,87.75 v1(123.14,88.84) ; v1(73.14,22.34) 73.07,22.41 LED46.4 ; v1(161.24,45.94) 160.18,44.88 LED34.4 ; v1(187.34,39.74) 187.14,39.74 186.94,39.54 C33.1 ; LED29.4 104.6,71.08 v1(104.64,71.04) ; v1(104.64,32.94) 104.6,32.98 LED45.4 ; LED14.4 85.78,106.8 v1(85.84,106.74) ; LED28.4 123.99,68.7 v1(124.04,68.74) ; v1(37.04,13.74) 37.04,13.89 LED48.4 ; v1(123.54,106.84) 123.49,106.8 LED12.4 ; v1(195.64,25.84) 195.63,25.83 LED41.4 ; LED19.4 141.26,85.37 v1(142.04,86.14) ; U4.1 33.85,139.69 34.46,139.08 34.46,138.09 34.16,137.79 U4.3 ; v1(161.84,63.94) 161.83,63.93 LED26.4 ; v1(191.24,19.64) 191.04,19.64 191,19.68 C41.1 ; v1(161.44,134.04) 160.39,132.99 LED2.4 ; LED3.4 141.29,132.99 v1(142.04,133.74) ; LED40.4 47.59,44.88 v1(47.64,44.84) ; LED7.4 64.79,132.99 v1(65.94,134.14)
  Top w0.5: 155.14,38.84 155.24,38.73 ; 155.14,38.84 C34.1 177.07,38.84 C33.1 ; 155.14,38.84 154.54,38.84 152.26,41.11 v1(142.44,41.11) C35.1 131.56,41.11 129.18,43.5 v1(123.24,43.5) C36.1 112.68,43.5 110.3,45.88 v1(104.14,45.88) C37.1 96.2,46.44 87.74,46.44 87.74,46.4 v1(84.84,43.5) C38.1 75.34,41.11 v1(66.64,41.11) C39.1 56.29,38.73 v1(47.74,38.73) C40.1 ; C16.1 v1(47.44,95.88) 49.58,95.88 52.74,99.04 57.89,99.04 C15.1 v1(66.96,98.26) 69.64,100.94 77.42,100.94 C14.1 v1(87.14,100.65) 90.14,103.64 96.15,103.64 C13.1 v1(104.44,103.03) 110.55,103.03 112.93,100.65 C12.1 115.92,100.54 v1(123.54,100.54) 129.24,100.54 131.51,98.26 C11.1 v1(142.74,98.26) 151.54,98.26 C10.1 154.4,96.36 v1(161.94,96.36) 172.49,96.36 C9.1 ; C24.1 v1(47.34,76.83) 49.03,76.83 52.24,80.04 57.84,80.04 C23.1 v1(65.94,79.21) 68.21,79.21 70.94,81.94 77.37,81.94 C22.1 v1(86.74,81.6) 87.49,81.6 90.44,84.54 96.2,84.54 C21.1 v1(104.14,83.98) 109.4,83.98 111.84,81.54 115.76,81.54 C20.1 v1(123.14,81.6) 129.48,81.6 131.86,79.21 C19.1 v1(142.14,79.21) 148.16,79.21 150.55,76.83 C18.1 154.4,77.31 v1(161.14,77.31) 174.87,77.31 C17.1 179.85,76.83 v1(179.94,76.74) ; C1.1 v1(161.44,126.84) v1(142.04,126.84) v1(123.14,126.84) v1(104.04,126.84) v1(85.04,126.84) v1(65.94,126.84) C8.1 ; C25.1 177.52,57.99 v1(161.84,57.99) 154.13,57.99 C26.1 149.9,57.78 147.51,60.16 v1(142.54,60.16) C27.1 130.71,60.16 128.33,62.55 v1(124.14,62.55) C28.1 112.44,62.55 112.44,62.54 110.05,64.93 v1(104.74,64.93) C29.1 96.55,65.14 89.64,65.14 v1(87.04,62.55) C30.1 77.22,63.04 71.04,63.04 68.16,60.16 v1(66.64,60.16) C31.1 58.19,60.64 52.14,60.64 49.28,57.78 v1(47.74,57.78) C32.1 ; C45.1 v1(104.84,26.83) 113.44,26.83 C44.1 v1(123.84,24.45) 132.49,24.45 C43.1 v1(142.84,22.06) 156.3,22.06 C42.1 v1(166.74,19.68) C41.1
  Bottom w0.2: v1(142.44,48.24) v1(142.44,41.11) ; v1(104.14,90.94) v1(104.14,83.98) ; v1(166.74,25.84) v1(166.74,19.68) ; v1(142.74,98.26) 142.74,104.24 v1(142.54,104.44) ; v1(65.94,134.14) v1(65.94,126.84) ; v1(180.44,102.04) v1(180.44,95.84) ; v1(86.74,81.6) 86.74,86.94 v1(84.94,88.74) ; v1(66.64,60.16) 66.74,60.26 v1(66.74,66.24) ; v1(84.84,43.5) 84.84,43.5 v1(84.84,50.74) ; v1(104.34,109.14) 104.34,103.13 v1(104.44,103.03) ; v1(179.94,76.74) 182.64,79.44 v1(182.64,83.94) ; v1(87.14,100.65) 87.14,105.44 v1(85.84,106.74) ; v1(124.04,68.74) 124.14,68.64 v1(124.14,62.55) ; v1(187.34,45.84) v1(187.34,39.74) ; v1(66.24,104.34) 66.96,103.62 v1(66.96,98.26) ; v1(195.64,25.84) 195.64,24.04 v1(191.24,19.64) ; v1(85.54,68.64) 87.04,67.14 v1(87.04,62.55) ; v1(104.04,133.94) v1(104.04,126.84) ; v1(142.14,79.21) 142.14,86.04 v1(142.04,86.14) ; v1(161.24,45.94) v1(161.24,38.94) ; v1(123.24,50.74) v1(123.24,43.5) ; v1(47.64,44.84) 47.64,38.83 v1(47.74,38.73) ; v1(47.74,63.94) v1(47.74,57.78) ; v1(161.14,77.31) 161.24,77.41 v1(161.24,83.84) ; v1(47.14,83.04) 47.34,82.84 v1(47.34,76.83) ; v1(161.94,96.36) 161.94,101.84 v1(161.84,101.94) ; v1(123.14,133.94) v1(123.14,126.84) ; v1(104.84,26.83) 104.64,27.03 v1(104.64,32.94) ; v1(142.04,133.74) v1(142.04,126.84) ; v1(104.14,53.04) v1(104.14,45.88) ; v1(142.54,66.34) v1(142.54,60.16) ; v1(85.04,133.74) v1(85.04,126.84) ; v1(104.64,71.04) 104.64,65.03 v1(104.74,64.93) ; v1(66.64,48.04) v1(66.64,41.11) ; v1(161.44,134.04) v1(161.44,126.84) ; v1(47.44,102.04) v1(47.44,95.88) ; v1(161.84,63.94) v1(161.84,57.99) ; v1(65.94,86.24) v1(65.94,79.21) ; v1(123.54,106.84) v1(123.54,100.54) ; v1(123.14,88.84) v1(123.14,81.6) ; v1(180.34,134.04) v1(180.34,126.64) ; v1(142.84,28.24) v1(142.84,22.06) ; v1(123.84,30.64) v1(123.84,24.45)
R_COL1: length 181.5
  Top w0.2: v1(13.44,133.24) 13.47,133.2 U3.9
  Top w0.25: v1(50.34,91.94) 50.34,89.89 SW24.1 50.22,87.33 v1(50.14,87.24) ; v1(50.24,106.74) 50.22,106.76 SW16.1 50.24,108.84 v1(50.24,111.04) ; v1(50.24,68.04) 50.24,70.71 SW32.1 50.14,70.81 v1(50.14,72.84) ; v1(50.24,141.94) 50.22,141.93 SW8.1 ; v1(50.24,45.24) 50.22,45.26 SW40.1 50.24,51.69 v1(50.24,54.14) ; SW48.1 45.19,12.89 v1(45.84,13.54)
  Bottom w0.2: 42.94,140.64 35.54,133.24 v1(13.44,133.24) ; 42.94,140.64 43.8,139.78 SW8.1 ; 42.94,140.64 44.24,141.94 v1(50.24,141.94)
  Bottom w0.25: v1(50.24,45.24) 50.24,17.94 v1(45.84,13.54) ; v1(50.34,91.94) 50.34,106.64 v1(50.24,106.74) ; v1(50.24,141.94) v1(50.24,111.04) ; v1(50.24,68.04) v1(50.24,54.14) ; v1(50.14,87.24) v1(50.14,72.84)
R_COL2: length 191.4
  Top w0.2: v1(69.34,141.84) 69.27,141.78 SW7.1 ; U3.8 13.48,134.3 v1(13.44,134.34)
  Top w0.25: v1(69.44,37.34) 65.81,33.72 65.81,19.98 SW47.1 ; v1(69.24,137.44) 69.27,137.48 SW7.1 ; v1(69.34,94.14) 69.34,92.22 SW23.1 69.27,89.78 v1(69.24,89.74) ; v1(69.44,51.14) 69.27,51.31 SW39.1 69.24,54.09 v1(69.24,56.14) ; v1(69.24,113.64) 69.24,111.24 69.27,111.21 69.27,108.91 v1(69.34,108.84) ; v1(69.24,70.34) 69.27,70.38 SW31.1 69.24,73.14 v1(69.24,75.24)
  Bottom w0.2: v1(13.44,134.34) 27.84,134.34 37.77,144.27 66.91,144.27 v1(69.34,141.84)
  Bottom w0.25: v1(69.34,108.84) v1(69.34,94.14) ; v1(69.24,89.74) v1(69.24,75.24) ; v1(69.24,137.44) v1(69.24,113.64) ; v1(69.24,70.34) v1(69.24,56.14) ; v1(69.44,51.14) v1(69.44,37.34)
R_COL3: length 206
  Top w0.2: U3.7 13.47,135.4 v1(13.44,135.44) ; v1(88.34,142.04) 88.32,142.03 SW6.1
  Top w0.25: v1(88.14,96.54) 88.14,94.72 SW22.1 88.32,91.66 v1(88.34,91.64) ; v1(88.34,77.64) 88.34,75.5 SW30.1 88.32,72.76 v1(88.34,72.74) ; SW46.1 88.74,29.41 v1(88.74,30.44) ; SW6.1 88.32,136.96 v1(88.34,136.94) ; v1(88.74,54.54) 88.34,54.94 88.34,56.42 SW38.1 88.32,59.06 v1(88.24,59.14) ; v1(88.24,110.94) 88.32,111.03 SW14.1 88.34,113.6 v1(88.34,115.64)
  Bottom w0.2: v1(88.34,142.04) 85.54,144.84 37.54,144.84 28.14,135.44 v1(13.44,135.44)
  Bottom w0.25: v1(88.24,59.14) 88.34,59.24 v1(88.34,72.74) ; v1(88.14,96.54) 88.24,96.64 v1(88.24,110.94) ; v1(88.34,91.64) v1(88.34,77.64) ; v1(88.74,54.54) v1(88.74,30.44) ; v1(88.34,136.94) v1(88.34,115.64)
R_COL4: length 202.8
  Top w0.2: U3.6 13.47,136.5 v1(13.44,136.54) ; SW5.1 107.34,139.82 v1(107.34,141.74)
  Top w0.25: v1(107.44,118.44) 107.44,116.03 SW13.1 107.37,113.48 v1(107.34,113.44) ; v1(107.34,99.34) 107.34,96.95 SW21.1 107.37,93.88 v1(107.34,93.84) ; v1(107.34,61.44) 107.34,61.14 107.37,61.11 SW37.1 107.37,55.98 v1(107.34,55.94) ; v1(107.34,74.44) 107.37,74.48 SW29.1 107.37,80.51 107.34,80.54 v1(107.34,80.94) ; v1(107.34,42.04) 107.34,39.8 SW45.1 ; SW5.1 107.37,137.01 v1(107.44,136.94)
  Bottom w0.2: v1(13.44,136.54) 28.67,136.54 37.37,145.24 103.84,145.24 v1(107.34,141.74)
  Bottom w0.25: v1(107.34,113.44) v1(107.34,99.34) ; v1(107.34,93.84) v1(107.34,80.94) ; v1(107.44,136.94) v1(107.44,118.44) ; v1(107.34,55.94) v1(107.34,42.04) ; v1(107.34,74.44) v1(107.34,61.44)
R_COL5: length 224.3
  Top w0.2: v1(126.54,141.74) 126.42,141.63 126.42,139.78 ; U3.5 13.48,137.6 v1(13.44,137.64)
  Top w0.25: v1(126.44,39.34) 126.44,37.4 126.42,37.39 ; v1(126.44,137.79) 126.42,137.81 126.42,139.78 ; v1(126.44,115.54) 126.44,113.6 126.42,113.59 126.44,113.57 v1(126.44,110.84) ; v1(126.44,92.24) 126.42,92.26 126.42,94.54 126.44,94.55 v1(126.44,96.74) ; v1(126.54,58.54) 126.54,56.55 126.42,56.44 126.42,54.06 v1(126.44,54.04) ; v1(126.44,73.54) 126.42,73.56 126.42,75.49 126.44,75.5 v1(126.44,77.64)
  Bottom w0.2: v1(13.44,137.64) 29.2,137.64 37.3,145.74 122.54,145.74 v1(126.54,141.74)
  Bottom w0.25: v1(126.44,137.79) v1(126.44,115.54) ; v1(126.44,73.54) 126.44,58.64 v1(126.54,58.54) ; v1(126.44,54.04) v1(126.44,39.34) ; v1(126.44,92.24) v1(126.44,77.64) ; v1(126.44,110.84) v1(126.44,96.74)
R_COL6: length 245.4
  Top w0.2: v1(13.54,138.74) 13.57,138.7 U3.4 ; v1(145.44,141.84) 145.47,141.81 SW3.1
  Top w0.25: SW43.1 145.47,37.16 v1(145.44,37.19) ; v1(145.54,113.34) 145.47,113.28 145.47,109.16 v1(145.49,109.14) ; v1(145.49,137.39) 145.47,137.41 SW3.1 ; v1(145.49,70.89) 145.47,70.91 SW27.1 145.47,75.33 v1(145.49,75.34) ; v1(145.59,94.44) 145.47,94.33 SW19.1 145.47,89.56 v1(145.49,89.54) ; v1(145.44,50.94) 145.47,50.98 SW35.1 145.47,56.13 v1(145.49,56.14)
  Bottom w0.2: v1(13.54,138.74) 29.74,138.74 37.14,146.14 141.14,146.14 v1(145.44,141.84)
  Bottom w0.25: v1(145.44,50.94) v1(145.44,37.19) ; v1(145.54,113.34) 145.49,113.39 v1(145.49,137.39) ; v1(145.49,56.14) 145.44,56.19 145.44,70.84 v1(145.49,70.89) ; v1(145.59,94.44) 145.49,94.54 v1(145.49,109.14) ; v1(145.49,89.54) v1(145.49,75.34)
R_COL7: length 268.9
  Top w0.2: 164.52,139.78 164.52,141.93 v1(164.64,142.04) ; U3.3 13.57,139.8 v1(13.54,139.84)
  Top w0.25: v1(169.29,34.84) 169.29,34.84 SW42.1 ; v1(164.54,110.94) 164.52,110.93 164.52,106.68 v1(164.49,106.64) ; v1(164.54,49.09) 164.52,49.11 164.52,53.88 v1(164.54,53.89) ; v1(164.54,91.94) 164.52,91.93 164.52,87.16 v1(164.54,87.14) ; v1(164.59,137.59) 164.52,137.66 164.52,139.78 ; v1(164.54,72.99) 164.52,72.98 164.52,68.33 v1(164.49,68.29)
  Bottom w0.2: v1(13.54,139.84) 30.27,139.84 36.97,146.54 160.14,146.54 v1(164.64,142.04)
  Bottom w0.25: v1(164.54,49.09) 164.54,39.59 v1(169.29,34.84) ; v1(164.59,137.59) 164.59,110.99 v1(164.54,110.94) ; v1(164.49,106.64) 164.49,91.99 v1(164.54,91.94) ; v1(164.49,68.29) 164.49,53.94 v1(164.54,53.89) ; v1(164.54,87.14) v1(164.54,72.99)
R_COL8: length 291.2
  Top w0.2: v1(183.54,141.74) 183.54,139.82 SW1.1 ; U3.2 13.57,140.9 v1(13.54,140.94)
  Top w0.25: SW1.1 SW9.1 183.57,92.16 SW17.1 185.95,73.11 SW25.1 188.33,54.06 SW33.1 190.72,39.77 SW41.1
  Bottom w0.2: v1(13.54,140.94) 30.8,140.94 36.81,146.94 178.33,146.94 v1(183.54,141.74)
R_LED1: length 10.6
  Top w0.2: LED8.3 45.54,131.44 v1(45.54,129.94) ; v1(38.34,129.94) 37.16,131.12 R12.1
  Bottom w0.2: v1(38.34,129.94) v1(45.54,129.94)
R_LED_3v3_1: length 4.9
  Top w0.2: U4.2 33.46,138.7 U3.34
R_ROW1: length 167.2
  Top w0.2: U3.10 13.47,132.1 v1(13.44,132.14) ; D8.1 33.49,144.34 v1(33.24,144.34)
  Top w0.25: D8.1 D1.1
  Bottom w0.2: v1(33.24,144.34) 33.24,144.27 30.71,141.74 13.49,141.74 12.84,141.09 12.84,132.74 v1(13.44,132.14)
R_ROW2: length 169.8
  Top w0.2: U3.11 13.47,131 v1(13.44,131.04) ; D16.1 34.24,114.34 v1(34.24,115.94)
  Top w0.25: D9.1 D10.1 148.04,114.24 147.99,114.19 147.99,114.29 145.66,116.62 D11.1 127.01,119 D12.1 107.96,121.38 D13.1 88.91,119 D14.1 72.14,119 69.76,116.62 D15.1 50.81,114.24 D16.1
  Bottom w0.2: v1(13.44,131.04) 19.14,131.04 v1(34.24,115.94)
R_ROW3: length 188.9
  Top w0.2: v1(13.44,129.94) 13.47,129.9 U3.12 ; v1(33.14,94.94) 33.89,94.94 D24.1
  Top w0.25: D24.1 34.74,94.59 50.21,94.59 D23.1 53.52,97.24 69.53,97.24 D22.1 72.6,99.59 88.54,99.59 D21.1 91.98,101.64 108.65,101.64 D20.1 111,99.29 127.67,99.29 D19.1 129.7,97.26 146.37,97.26 D18.1 148.77,94.86 169.53,94.86 D17.1
  Bottom w0.2: v1(13.44,129.94) 33.14,110.24 v1(33.14,94.94)
R_ROW4: length 208.1
  Top w0.2: U3.13 13.47,128.8 v1(13.44,128.84) ; v1(34.14,77.54) D32.1
  Top w0.25: D25.1 171.91,75.81 148.77,75.81 D26.1 146.39,78.19 129.72,78.19 D27.1 127.34,80.57 110.67,80.57 D28.1 108.29,82.95 91.62,82.95 D29.1 88.57,80.57 72.57,80.57 D30.1 69.52,78.19 53.52,78.19 D31.1 50.47,75.81 34.47,75.81 D32.1
  Bottom w0.2: v1(13.44,128.84) 32.54,109.74 32.54,79.14 v1(34.14,77.54)
R_ROW5: length 227.5
  Top w0.2: v1(32.46,111.77) 32.46,58.77 D40.1 ; U3.15 17.42,126.8 v1(18.96,125.27)
  Top w0.25: 32.44,58.79 D40.1 34.47,56.76 50.47,56.76 D39.1 53.52,59.14 69.52,59.14 D38.1 73.14,60.95 88.01,60.95 D37.1 91.62,63.9 108.29,63.9 D36.1 111.24,60.95 127.91,60.95 D35.1 130.29,58.57 146.96,58.57 D34.1 148.77,56.76 174.3,56.76 D33.1
  Bottom w0.2: v1(32.46,111.77) v1(18.96,125.27)
R_ROW6: length 255.5
  Top w0.2: U3.16 18.52,126.65 v1(20.24,124.94)
  Top w0.25: v1(34.14,51.04) 34.14,38.8 D48.1 44.82,34.97 D47.1 64.48,39.44 78.23,39.44 D46.1 86.07,39.97 D45.1 92.19,44.28 108.86,44.28 D44.1 110.67,42.47 127.34,42.47 D43.1 130.29,39.52 151.31,39.52 D42.1 181.43,37.69 D41.1
  Bottom w0.2: v1(20.24,124.94) 31.64,113.54 v1(31.76,113.54)
  Bottom w0.25: v1(31.76,113.54) 35.19,110.12 35.19,52.09 v1(34.14,51.04)
VSENSE: length 15.4
  Top w0.2: U3.33 30.77,137.6 31.64,136.74 31.64,131.94 v1(33.84,129.74)
  Bottom w0.2: v1(33.84,129.74) R11.1 R10.2
Net-(D1-A): length 2.9
  Top w0.25: SW1.2 169.49,141.69 D1.2
Net-(D2-A): length 2.9
  Top w0.25: SW2.2 150.44,141.69 D2.2
Net-(D3-A): length 2.9
  Top w0.25: D3.2 131.39,141.69 SW3.2
Net-(D4-A): length 2.9
  Top w0.25: SW4.2 112.34,141.69 D4.2
Net-(D5-A): length 2.9
  Top w0.25: SW5.2 93.29,141.69 D5.2
Net-(D6-A): length 2.9
  Top w0.25: SW6.2 74.24,141.69 D6.2
Net-(D7-A): length 2.9
  Top w0.25: D7.2 55.19,141.69 SW7.2
Net-(D8-A): length 7.5
  Top w0.25: 36.77,142.32 36.14,141.69 D8.2 37.89,141.69 SW8.2
Net-(D9-A): length 2.8
  Top w0.25: SW9.2 169.7,110.94 D9.2
Net-(D10-A): length 2.8
  Top w0.25: D10.2 148.86,111.36 SW10.2
